# Altium PCB PCB3.PcbDoc (part 5 of 5)
Units mil, origin at the board's own origin, x right, y up, seen from the top; angles counter-clockwise.
Board outline 6000 x 4000 mil, 2 copper layers (Top Layer, Bottom Layer); 340 components, 0 nets, 1296 pads, 308 vias.
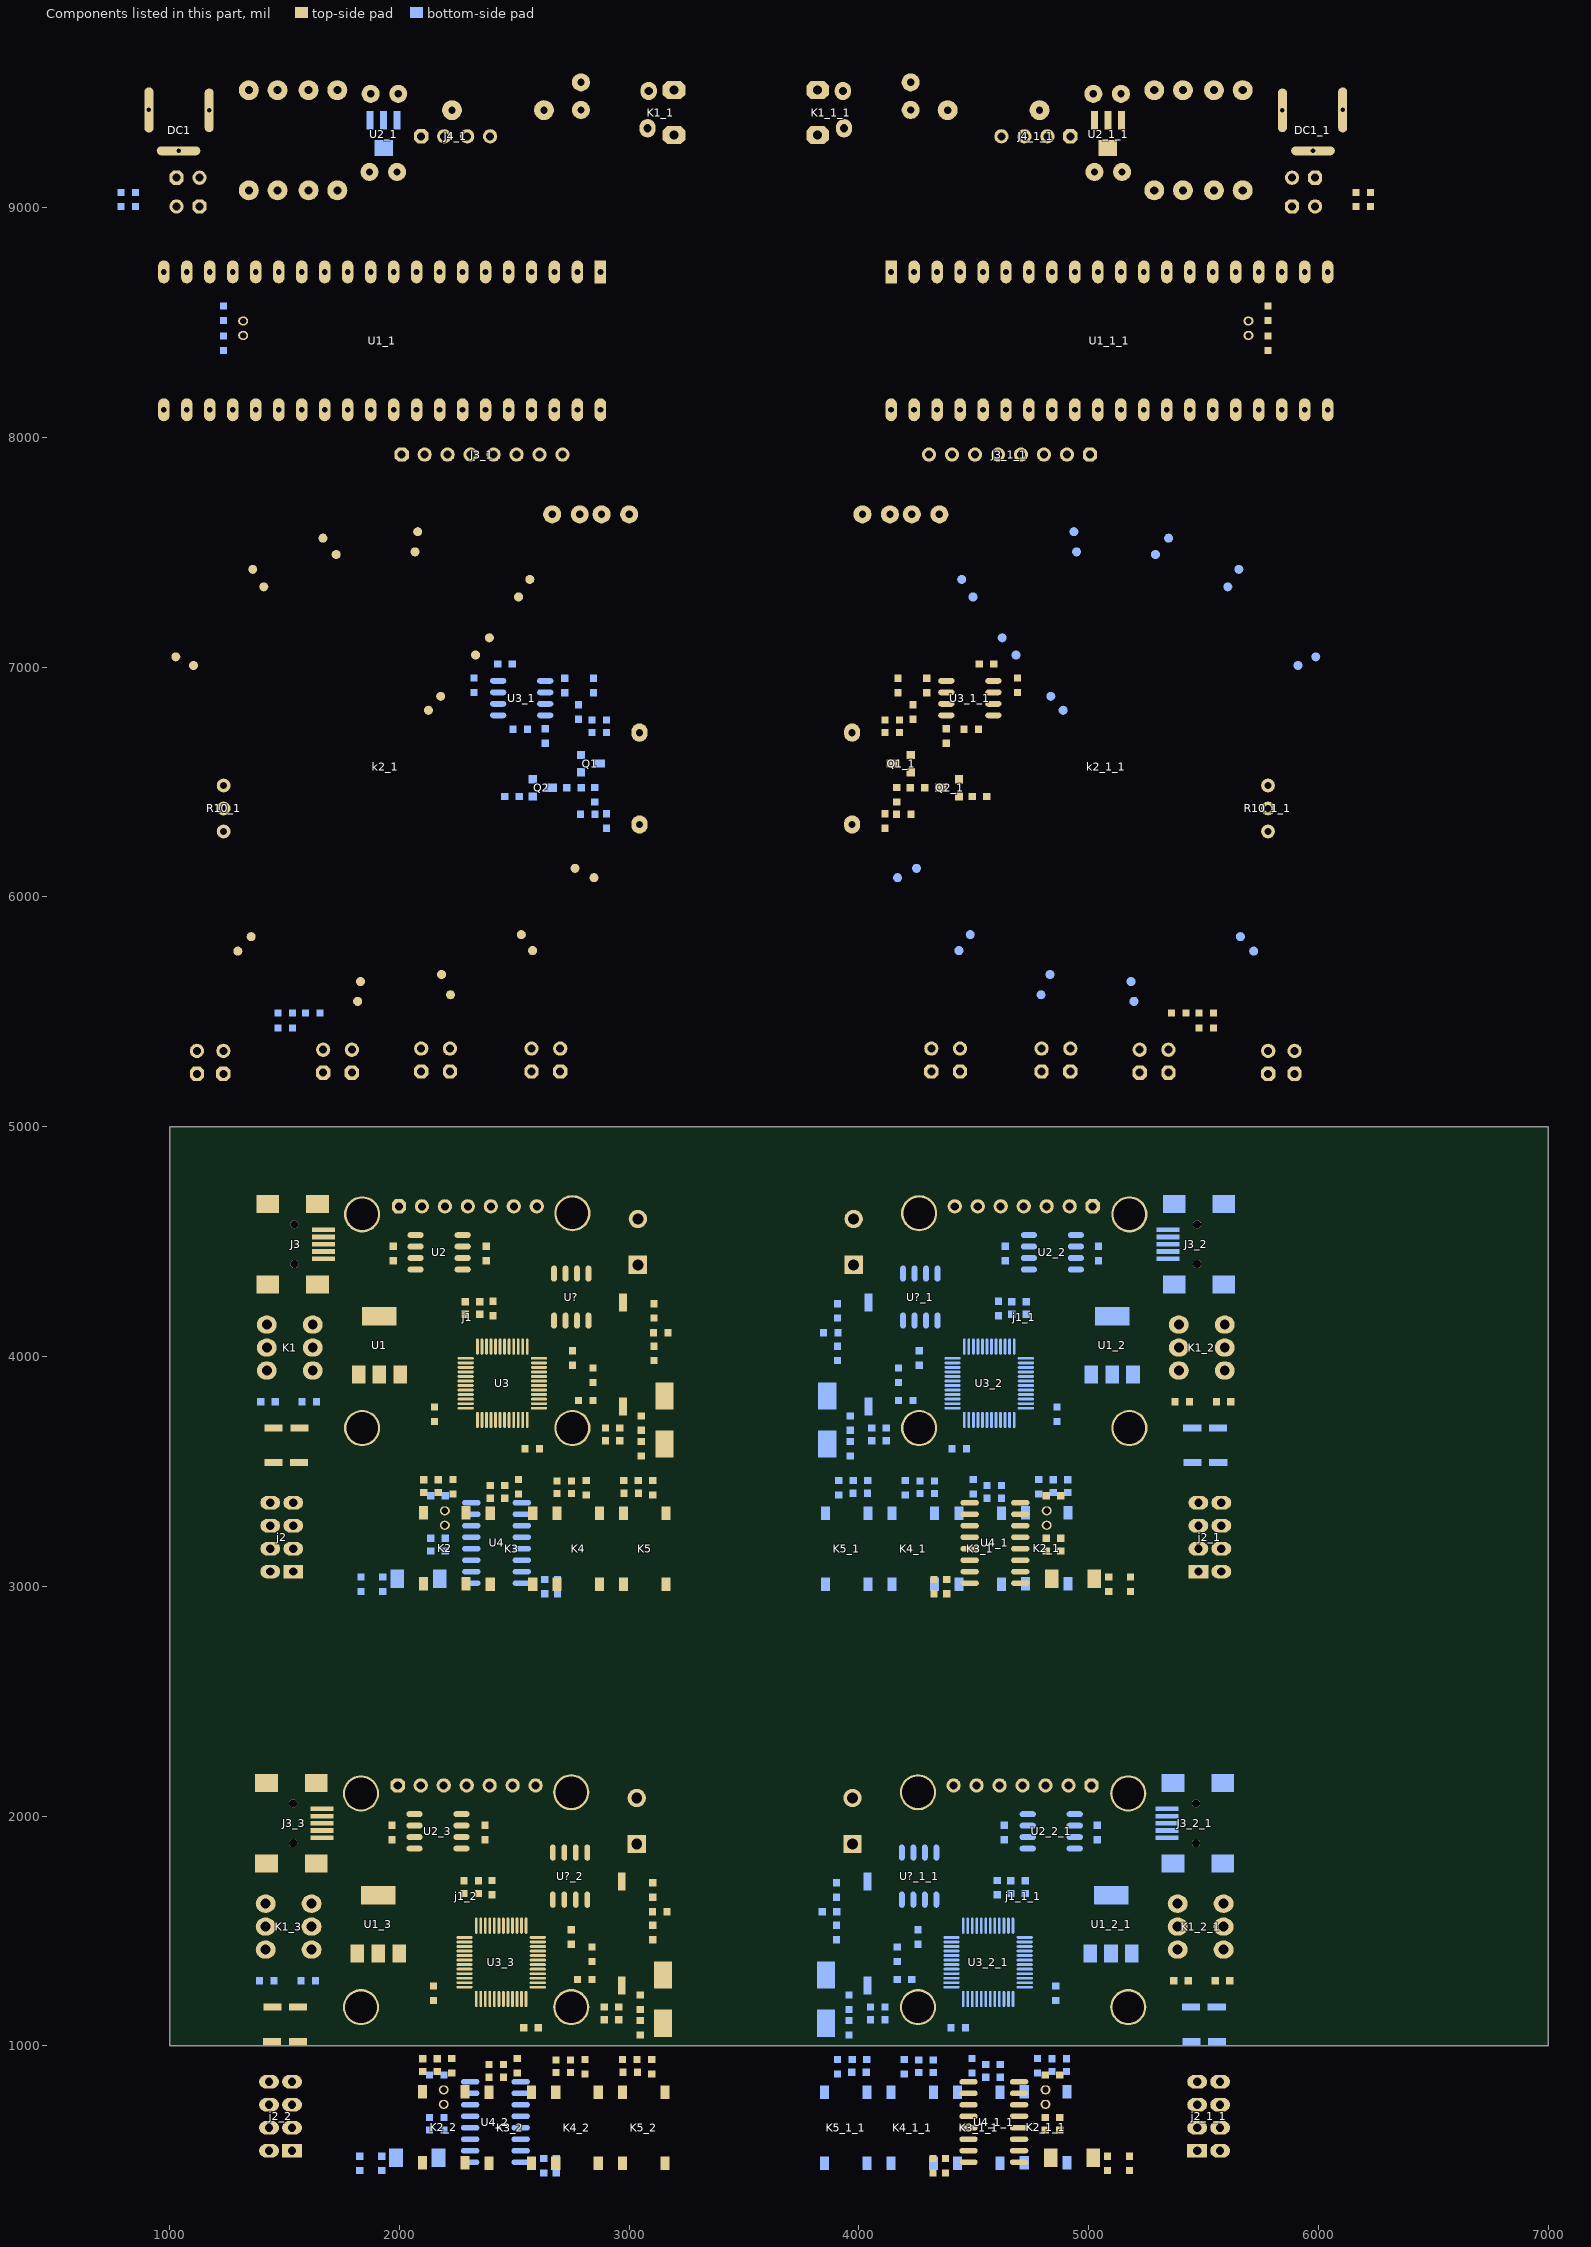
[diagram p5: the components of this part, seen from the top]

## Via types
v1: diameter 39.37, hole 19.68, Top Layer to Bottom Layer, 192 vias
v2: diameter 50, hole 28, Top Layer to Bottom Layer, 116 vias

## Nets (pads, with @x,y where several pads share a name; then routed paths per layer and width w, separated by ;. In a path a pad name is that pad's centre, name@x,y a point inside that pad or via, vN(x,y) a via of type N, cw(c..) or ccw(c..) an arc to the next point about the centre after c; other vN are vias at no path point) (continued)
copper on no net: (continued)
  Bottom Layer w12: 1433,543.5 1533,543.5 1623,453.5 v1(1768,453.5) ; 1433,643.5 1434.05,643.5 ; 1433,743.5 1434.05,743.5 1455.78,765.24 1455.78,786.29 1468,798.5 1698,798.5 1723,823.5 1723,1223.5 2043,1543.5 v1(2173,1543.5) ; 1433,843.5 1533,843.5 ; 1438,3063.5 1538,3063.5 1628,2973.5 v1(1773,2973.5) ; 1438,3163.5 1439.05,3163.5 ; 1438,3263.5 1439.05,3263.5 1460.78,3285.24 1460.78,3306.29 1473,3318.5 1703,3318.5 1728,3343.5 1728,3743.5 2048,4063.5 v1(2178,4063.5) ; 1438,3363.5 1538,3363.5 ; 1533,643.5 1928,643.5 1978,693.5 1978,1283.5 2013,1318.5 v1(2057.56,1318.5) ; 1533,743.5 v1(1618,743.5) ; 1538,3163.5 1933,3163.5 1983,3213.5 1983,3803.5 2018,3838.5 v1(2062.56,3838.5) ; 1538,3263.5 v1(1623,3263.5) ; 1828,467.01 1833,462.01 1928,462.01 1951.5,438.5 2515.97,438.5 2533,455.53 2533,488.5 2528,493.5 ; 1828,520 1828,593.5 ; 1833,2987.01 1838,2982.01 1933,2982.01 1956.5,2958.5 2520.97,2958.5 2538,2975.53 2538,3008.5 2533,3013.5 ; 1833,3040 1833,3113.5 ; v1(1881.5,518.5) 1882.25,519.25 1932.25,519.25 1933,520 1989,520 ; v1(1886.5,3038.5) 1887.25,3039.25 1937.25,3039.25 1938,3040 1994,3040 ; v1(1973,1663.5) v1(2228,1663.5) 2228,1488.5 ; v1(1978,4183.5) v1(2233,4183.5) 2233,4008.5 ; 1995.5,513.5 1989,520 ; 1999,520 1989,520 ; 2000.5,3033.5 1994,3040 ; 2004,3040 1994,3040 ; v1(2013,903.5) 2013,988.5 2068,1043.5 v1(2093,1043.5) ; v1(2018,3423.5) 2018,3508.5 2073,3563.5 v1(2098,3563.5) ; v1(2066.82,1623.5) v1(2143,1623.5) ; v1(2071.82,4143.5) v1(2148,4143.5) ; 2190.5,513.5 2190.5,519.5 2214.5,543.5 2308,543.5 ; 2193,808.5 2193.75,809.25 2193.75,872.76 2194.5,873.5 2250,873.5 2280,843.5 2308,843.5 ; v1(2193,1153.5) 2228,1188.5 ; v1(2193,1473.5) 2013,1473.5 1938,1398.5 1938,728.5 1903,693.5 1478,693.5 1464.51,680.02 1464.51,673.97 1434.05,643.5 ; 2194.5,633.5 2202.2,641.21 2305.7,641.21 2308,643.5 ; 2194.5,688.5 2193.75,689.25 2193.75,744.76 2193,745.51 2194.97,745.51 2242.59,793.14 2307.63,793.14 2308,793.5 ; 2195.5,3033.5 2195.5,3039.5 2219.5,3063.5 2313,3063.5 ; 2198,3328.5 2198.75,3329.25 2198.75,3392.76 2199.5,3393.5 2255,3393.5 2285,3363.5 2313,3363.5 ; v1(2198,3673.5) 2233,3708.5 ; v1(2198,3993.5) 2018,3993.5 1943,3918.5 1943,3248.5 1908,3213.5 1483,3213.5 1469.51,3200.02 1469.51,3193.97 1439.05,3163.5 ; 2199.5,3153.5 2207.2,3161.21 2310.7,3161.21 2313,3163.5 ; 2199.5,3208.5 2198.75,3209.25 2198.75,3264.76 2198,3265.51 2199.97,3265.51 2247.59,3313.14 2312.63,3313.14 2313,3313.5 ; 2293,2133.5 2293,2128.5 2408,2013.5 2408,1743.5 2448,1703.5 v1(2503,1703.5) ; 2298,4653.5 2298,4648.5 2413,4533.5 2413,4263.5 2453,4223.5 v1(2508,4223.5) ; 2308,593.5 1828,593.5 ; 2313,3113.5 1833,3113.5 ; 2493,2133.5 2508,2118.5 v1(2508,1853.5) ; 2498,4653.5 2513,4638.5 v1(2513,4373.5) ; v1(2508,1653.5) 2568,1653.5 v1(2623,1708.5) ; v1(2513,4173.5) 2573,4173.5 v1(2628,4228.5) ; 2518,2193.5 2543,2168.5 v1(2543,1753.5) ; 2523,4713.5 2548,4688.5 v1(2548,4273.5) ; v1(2658,1543.5) 2658,1728.5 2660.48,1728.5 2680.48,1748.5 v1(3103,1748.5) ; v1(2663,4063.5) 2663,4248.5 2665.48,4248.5 2685.48,4268.5 v1(3108,4268.5) ; v1(2713,1543.5) 3128,1543.5 3138,1553.5 3158,1533.5 v1(3158,1528.5) ; v1(2718,4063.5) 3133,4063.5 3143,4073.5 3163,4053.5 v1(3163,4048.5) ; v2(2786.62,1393.11) 2978.39,1393.11 2998,1373.5 v1(2998,1143.5) ; v2(2791.62,3913.11) 2983.39,3913.11 3003,3893.5 v1(3003,3663.5) ; v1(2818,1493.5) 2233,1493.5 2228,1488.5 ; v1(2823,4013.5) 2238,4013.5 2233,4008.5 ; v1(2958,1053.5) 2691.47,1053.5 v1(2666.47,1078.5) 2591.47,1153.5 2263,1153.5 2228,1188.5 ; v1(2963,3573.5) 2696.47,3573.5 v1(2671.47,3598.5) 2596.47,3673.5 2268,3673.5 2233,3708.5 ; v1(3847,1528.5) 3847,1469.04 3854.03,1462.01 3902,1462.01 ; 3849.48,798 3863.17,811.69 3863.17,833.17 3907,877.01 3911,881 3965.01,881 3969.01,885 3969.76,885.75 3969.76,939.25 3970.5,940 ; v1(3852,4048.5) 3852,3989.04 3859.03,3982.01 3907,3982.01 ; 3854.48,3318 3868.17,3331.69 3868.17,3353.17 3912,3397.01 3916,3401 3970.01,3401 3974.01,3405 3974.76,3405.75 3974.76,3459.25 3975.5,3460 ; 3857,1098.5 3868.5,1110 3957,1110 3957,1143.5 v1(4007,1143.5) ; 3857,1308.5 3857,1288.82 3923.25,1222.57 3955.93,1222.57 3957,1221.5 3997.51,1221.5 4050.5,1168.5 4133.53,1251.53 4193.02,1251.53 4229.99,1288.5 ; 3862,3618.5 3873.5,3630 3962,3630 3962,3663.5 v1(4012,3663.5) ; 3862,3828.5 3862,3808.82 3928.25,3742.57 3960.93,3742.57 3962,3741.5 4002.51,3741.5 4055.5,3688.5 4138.53,3771.53 4198.02,3771.53 4234.99,3808.5 ; 3902,1710 v1(3902,1748.5) ; 3907,940 3907,993.5 3927,1013.5 4532,1013.5 4552.16,1033.66 4552.16,1204.06 ; 3907,4230 v1(3907,4268.5) ; 3912,3460 3912,3513.5 3932,3533.5 4537,3533.5 4557.16,3553.66 4557.16,3724.06 ; 3957,1052.01 3957.75,1052.76 4046.25,1052.76 v1(4047,1053.5) 4048.75,1055.26 4048.75,1111.75 4050.5,1113.5 ; 3957,1230.32 3947,1230.32 3947,1755.91 3974.6,1783.5 4137,1783.5 ; 3962,3572.01 3962.75,3572.76 4051.25,3572.76 v1(4052,3573.5) 4053.75,3575.26 4053.75,3631.75 4055.5,3633.5 ; 3962,3750.32 3952,3750.32 3952,4275.91 3979.6,4303.5 4142,4303.5 ; 4032,885 4032,800.52 4034.52,798 ; 4033.5,940 4035.24,938.26 4067.24,938.26 4082,923.5 4082,768.5 ; 4034.52,489 4048.2,502.69 4048.2,544.71 4072,568.5 4332,568.5 ; 4037,1262.13 4037,1277.77 4047.73,1288.5 4167,1288.5 4212.47,1333.98 4402.55,1333.98 ; 4037,1714.88 4037,1497.01 4167,1367.01 ; 4037,3405 4037,3320.52 4039.52,3318 ; 4038.5,3460 4040.24,3458.26 4072.24,3458.26 4087,3443.5 4087,3288.5 ; 4039.52,3009 4053.2,3022.69 4053.2,3064.71 4077,3088.5 4337,3088.5 ; 4042,3782.13 4042,3797.77 4052.73,3808.5 4172,3808.5 4217.47,3853.98 4407.55,3853.98 ; 4042,4234.88 4042,4017.01 4172,3887.01 ; 4111.62,1166.63 4113.5,1168.5 4113.5,1113.5 4113.5,1052.01 4127,1038.5 4517,1038.5 4532.47,1053.98 4532.47,1204.06 ; 4116.62,3686.63 4118.5,3688.5 4118.5,3633.5 4118.5,3572.01 4132,3558.5 4522,3558.5 4537.47,3573.98 4537.47,3724.06 ; 4139.48,798 4153.17,811.69 4153.17,833.17 4197,877.01 4200.25,880.26 4257.26,880.26 4260.5,883.5 4260.5,938.5 ; 4144.48,3318 4158.17,3331.69 4158.17,3353.17 4202,3397.01 4205.25,3400.26 4262.26,3400.26 4265.5,3403.5 4265.5,3458.5 ; 4164.01,1353.66 4402.55,1353.66 ; 4167,1430 4173,1436 4251,1436 4257,1442.01 4262.24,1436.76 4262.24,1408.26 4277.47,1393.03 4402.55,1393.03 4402.46,1392.94 4278.4,1392.94 4277.47,1392.01 ; 4169.01,3873.66 4407.55,3873.66 ; 4172,3950 4178,3956 4256,3956 4262,3962.01 4267.24,3956.76 4267.24,3928.26 4282.47,3913.03 4407.55,3913.03 4407.46,3912.94 4283.4,3912.94 4282.47,3912.01 ; v1(4187,1493.5) v1@4194.59,1493.5 ; 4187,1636.14 4187,1505.91 v1@4187.91,1505 ; v1(4192,4013.5) v1@4199.59,4013.5 ; 4192,4156.14 4192,4025.91 v1@4192.91,4025 ; 4197,940 4197,978.5 4207,988.5 4543.67,988.5 4571.84,1016.67 4571.84,1204.06 ; 4202,3460 4202,3498.5 4212,3508.5 4548.67,3508.5 4576.84,3536.67 4576.84,3724.06 ; v2@4212,1403.5 4242.16,1373.35 4402.55,1373.35 ; v2@4217,3923.5 4247.16,3893.35 4407.55,3893.35 ; 4237,1636.14 4237,1693.5 4252,1708.5 v1(4382,1708.5) ; 4242,4156.14 4242,4213.5 4257,4228.5 v1(4387,4228.5) ; 4285.5,1631.14 4285.5,1608.21 4310.21,1583.5 4385.5,1583.5 4397.53,1571.47 4397.53,1471.87 4397.63,1471.77 4402.55,1471.77 ; 4290.5,4151.14 4290.5,4128.21 4315.21,4103.5 4390.5,4103.5 4402.53,4091.47 4402.53,3991.87 4402.63,3991.77 4407.55,3991.77 ; v1(4292,1543.5) 4297,1543.5 4312,1528.5 4312,1448.5 4328.1,1432.4 4402.55,1432.4 ; v1(4297,4063.5) 4302,4063.5 4317,4048.5 4317,3968.5 4333.1,3952.4 4407.55,3952.4 ; 4323.5,883.5 4323.5,799.03 4324.52,798 ; 4323.5,938.5 4367,938.5 4377,928.5 4377,693.5 ; 4324.52,489 4332,496.48 4332,568.5 ; 4328.5,3403.5 4328.5,3319.03 4329.52,3318 ; 4328.5,3458.5 4372,3458.5 4382,3448.5 4382,3213.5 ; 4329.52,3009 4337,3016.48 4337,3088.5 ; 4335.5,1631.14 4335.5,1620.21 4341.51,1614.21 4416.3,1614.21 4453.73,1576.77 4453.73,1522.95 ; v1(4338.53,1078.5) 4395.5,1078.5 ; 4340.5,4151.14 4340.5,4140.21 4346.51,4134.21 4421.3,4134.21 4458.73,4096.77 4458.73,4042.95 ; v1(4343.53,3598.5) 4400.5,3598.5 ; v1(4347,1543.5) 4337,1553.5 4337,1459.12 4344.03,1452.09 4402.55,1452.09 ; v1(4352,4063.5) 4342,4073.5 4342,3979.12 4349.03,3972.09 4407.55,3972.09 ; 4400.5,1078.5 4395.5,1078.5 ; 4402.55,1255.24 4431.89,1255.24 4453.73,1233.39 4453.73,1204.06 4453.73,1136.73 4395.5,1078.5 ; 4402.55,1412.72 4307.79,1412.72 4290.75,1429.76 4290.75,1483.5 4279,1495.25 4266.75,1495.25 4257,1505 v1@4187.91,1505 ; 4405.5,3598.5 4400.5,3598.5 ; 4407.55,3775.24 4436.89,3775.24 4458.73,3753.39 4458.73,3724.06 4458.73,3656.73 4400.5,3598.5 ; 4407.55,3932.72 4312.79,3932.72 4295.75,3949.76 4295.75,4003.5 4284,4015.25 4271.75,4015.25 4262,4025 v1@4192.91,4025 ; v1(4412,1853.5) 4412.69,1852.82 4412.69,1652.82 4473.42,1592.09 4473.42,1522.95 ; v1(4417,4373.5) 4417.69,4372.82 4417.69,4172.82 4478.42,4112.09 4478.42,4042.95 ; 4429.48,798 4443.17,811.69 4443.17,833.17 4492,882.01 4501.75,891.76 4525.17,891.76 4551.92,918.5 4551.92,863.5 ; 4434.48,3318 4448.17,3331.69 4448.17,3353.17 4497,3402.01 4506.75,3411.76 4530.17,3411.76 4556.92,3438.5 4556.92,3383.5 ; v1(4462,1753.5) 4462,1633.5 4493.1,1602.4 4493.1,1522.95 ; v1(4467,4273.5) 4467,4153.5 4498.1,4122.4 4498.1,4042.95 ; 4473.42,1093.43 4473.42,1204.06 ; 4478.42,3613.43 4478.42,3724.06 ; 4492,945 4501.75,954.75 4523.24,954.75 4527,958.5 4571.84,958.5 4591.53,978.19 4591.53,1204.06 ; v1(4497,1653.5) 4512.79,1637.72 4512.79,1522.95 ; v1(4497,1853.5) 4571.84,1778.66 4571.84,1522.95 ; 4497,3465 4506.75,3474.75 4528.24,3474.75 4532,3478.5 4576.84,3478.5 4596.53,3498.19 4596.53,3724.06 ; v1(4502,1703.5) 4532.47,1673.03 4532.47,1522.95 4532.47,1513.5 ; v1(4502,4173.5) 4517.79,4157.72 4517.79,4042.95 ; v1(4502,4373.5) 4576.84,4298.66 4576.84,4042.95 ; v1(4507,4223.5) 4537.47,4193.03 4537.47,4042.95 4537.47,4033.5 ; v1(4537,1753.5) 4552.16,1738.35 4552.16,1522.95 4552.16,1483.58 ; v1(4542,4273.5) 4557.16,4258.35 4557.16,4042.95 4557.16,4003.58 ; 4552.08,1483.5 4552.08,1503.5 ; 4557.08,4003.5 4557.08,4023.5 ; 4591.53,1522.95 4591.62,1523.05 4591.62,1593.13 4617,1618.5 4617,1675 ; 4596.53,4042.95 4596.62,4043.05 4596.62,4113.13 4622,4138.5 4622,4195 ; 4597,1657.01 4606.75,1666.76 4608.76,1666.76 4617,1675 ; 4602,1720 4602,1793.5 4627,1818.5 4767,1818.5 4777,1808.5 v1@4777,1673.79 ; 4602,4177.01 4611.75,4186.76 4613.76,4186.76 4622,4195 ; 4607,4240 4607,4313.5 4632,4338.5 4772,4338.5 4782,4328.5 v1@4782,4193.79 ; 4611.21,1204.06 4611.21,1024.29 4690.5,945 4777,945 ; 4614.52,489 4617,491.48 4617,568.5 ; 4614.52,798 4614.91,798.4 4614.91,863.5 4614.91,888.5 ; 4614.91,918.5 4621.57,911.84 4648.66,911.84 4672,888.5 4672,693.5 ; 4616.21,3724.06 4616.21,3544.29 4695.5,3465 4782,3465 ; 4619.52,3009 4622,3011.48 4622,3088.5 ; 4619.52,3318 4619.91,3318.4 4619.91,3383.5 4619.91,3408.5 ; 4619.91,3438.5 4626.57,3431.84 4653.66,3431.84 4677,3408.5 4677,3213.5 ; 4650.58,1522.95 4650.58,1533.5 4650.54,1533.54 4650.54,1645.55 4723.5,1718.5 ; 4655.58,4042.95 4655.58,4053.5 4655.54,4053.54 4655.54,4165.55 4728.5,4238.5 ; 4660.5,1718.5 4617,1675 ; 4665.5,4238.5 4622,4195 ; 4670.27,1204.06 4670.36,1203.96 4670.36,1063.5 4695.36,1038.5 4892.76,1038.5 ; 4670.27,1522.95 4670.27,1610.28 4723.5,1663.5 v1(4777,1663.5) ; 4675.27,3724.06 4675.36,3723.96 4675.36,3583.5 4700.36,3558.5 4897.76,3558.5 ; 4675.27,4042.95 4675.27,4130.28 4728.5,4183.5 v1(4782,4183.5) ; 4719.48,799.74 4733.17,813.42 4733.17,838.17 4777,882.01 4780.25,885.26 4837.26,885.26 4840.5,888.5 4840.5,943.5 ; 4721.45,1255.24 4798.77,1255.24 4857,1197.01 4858.75,1195.26 4855.25,1195.26 4813.5,1153.5 v1(4812,1153.5) ; 4721.45,1274.92 4842.08,1274.92 4857,1260 ; 4721.45,1294.61 4923.54,1294.61 v1(4947.44,1318.5) ; 4721.45,1314.29 4867.79,1314.29 4897,1343.5 4897,1693.5 4877,1713.5 ; 4721.45,1333.98 4844.22,1333.98 4872,1361.75 4872,1610.26 4862,1620.26 v1(4862,1623.5) ; 4721.45,1353.66 4821.93,1353.66 4844.22,1375.95 v1@4844.22,1541.36 ; 4721.45,1373.35 4806.84,1373.35 4822,1388.5 v1@4822,1478.5 ; 4724.48,3319.74 4738.17,3333.42 4738.17,3358.17 4782,3402.01 4785.25,3405.26 4842.26,3405.26 4845.5,3408.5 4845.5,3463.5 ; 4726.45,3775.24 4803.77,3775.24 4862,3717.01 4863.75,3715.26 4860.25,3715.26 4818.5,3673.5 v1(4817,3673.5) ; 4726.45,3794.92 4847.08,3794.92 4862,3780 ; 4726.45,3814.61 4928.54,3814.61 v1(4952.44,3838.5) ; 4726.45,3834.29 4872.79,3834.29 4902,3863.5 4902,4213.5 4882,4233.5 ; 4726.45,3853.98 4849.22,3853.98 4877,3881.75 4877,4130.26 4867,4140.26 v1(4867,4143.5) ; 4726.45,3873.66 4826.93,3873.66 4849.22,3895.95 v1@4849.22,4061.36 ; 4726.45,3893.35 4811.84,3893.35 4827,3908.5 v1@4827,3998.5 ; 4890.83,786.05 4904.52,799.74 4903.5,800.76 4903.5,888.5 ; 4895.83,3306.05 4909.52,3319.74 4908.5,3320.76 4908.5,3408.5 ; 4939.36,1958.5 4940.11,1959.25 5036.25,1959.25 5037,1960 ; 4944.36,4478.5 4945.11,4479.25 5041.25,4479.25 5042,4480 ; v1(4992,903.5) 5367,903.5 5387,883.5 v1(5387,743.5) ; v1(4997,3423.5) 5372,3423.5 5392,3403.5 v1(5392,3263.5) ; 5097,1401.73 5097.67,1402.4 5097.67,1655.28 ; 5102,3921.73 5102.67,3922.4 5102.67,4175.28 ; v1(5123.5,518.5) 5124.18,517.82 5298.81,517.82 5340.75,559.75 5340.75,797.82 v1(5340.94,798) ; v1(5128.5,3038.5) 5129.18,3037.82 5303.81,3037.82 5345.75,3079.75 5345.75,3317.82 v1(5345.94,3318) ; v1(5237,453.5) 4941.75,453.5 4904.52,490.74 4890.83,504.42 4890.83,544.67 4867,568.5 4617,568.5 ; v1(5242,2973.5) 4946.75,2973.5 4909.52,3010.74 4895.83,3024.42 4895.83,3064.67 4872,3088.5 4622,3088.5 ; 1434.05,643.5 1455.78,621.77 1455.78,600.72 1463,593.5 1828,593.5 ; 1439.05,3163.5 1460.78,3141.77 1460.78,3120.72 1468,3113.5 1833,3113.5 ; 2228,1188.5 2228,1488.5 ; 2233,3708.5 2233,4008.5 ; v1@4187.91,1505 v1@4197,1495.91 ; v1@4192.91,4025 v1@4202,4015.91 ; v1@4194.59,1493.5 4199.41,1493.5 v1@4197,1495.91 ; v1@4194.59,1493.5 v1@4197,1495.91 ; v1@4199.59,4013.5 v1@4202,4015.91 ; v1@4199.59,4013.5 4204.41,4013.5 v1@4202,4015.91 ; 4332,568.5 4617,568.5 ; 4337,3088.5 4622,3088.5
  Bottom Layer w20: v2@777.5,7512.5 875,7415 875,7095 960,7010 v2(1285,7010) ; 788.5,9005 788.5,9065 ; v2(845,7520) 925,7440 925,7125 990,7060 1305,7060 1475,6890 v2(1490,6890) ; 851.5,9005 1030,9005 1090,8945 1827,8945 ; 851.5,9065 1070,9065 1130,9005 1345,9005 ; v2@895,6655 v2(900,6660) ; 910,9425 910,9280 943,9247 1039,9247 1030,9238 1030,9130 v2(920,9130) ; 975,8120 975,7325 v2(1055,7245) ; v2(1065,6935) 695,6935 690,6930 ; 1075,8120 1075,7630 1120,7585 v2(1570,7585) ; 1075,8720 1075,8470 1101.5,8443.5 1320,8443.5 ; 1119,5330 1234,5330 v2(1234,5440) ; 1172.18,9423.2 1172.18,9172.18 1130,9130 v2(1215,9130) ; 1175,8720 1175,8533.5 1202.01,8506.5 1320,8506.5 ; 1235,8571.5 1613.5,8571.5 1650,8535 1650,8415 1613.5,8378.5 1235,8378.5 976.5,8378.5 ; v2(1254,9511) 1345,9511 1470,9386 1470,9075 ; 1345,9075 1345,9005 ; 1375,8720 1380,8715 v2(1380,8630) ; 1391.5,1283.5 1389.26,1285.75 1393.75,1285.75 1618,1510 1618,1518.5 1618,1523.5 1903,1808.5 1933,1808.5 ; 1396.5,3803.5 1394.26,3805.75 1398.75,3805.75 1623,4030 1623,4038.5 1623,4043.5 1908,4328.5 1938,4328.5 ; v1(1428,943.5) 1428,949.56 1428.24,949.8 1428.24,848.27 1433,843.5 ; 1433,543.5 1360,543.5 1335,568.5 1335,1140 1363.5,1168.5 v2(1678,1168.5) ; v1(1433,3463.5) 1433,3469.56 1433.24,3469.8 1433.24,3368.27 1438,3363.5 ; 1438,3063.5 1365,3063.5 1340,3088.5 1340,3660 1368.5,3688.5 v2(1683,3688.5) ; 1454.5,1283.5 1571.5,1283.5 ; 1459.5,3803.5 1576.5,3803.5 ; 1470,9511 1605,9511 1684,9590 1960,9590 1995,9555 1995,9515 ; 1472.01,5430 1472.01,5495 v2(1472.01,5542.01) ; 1475,8120 1770,7825 1770,6500 1833,6437 2458.5,6437 ; 1475,8720 1580,8615 1685,8615 1795,8505 1915,8505 v2(1925,8495) ; 1535,5430 1668.24,5430 ; 1535,5495 1592.01,5495 ; 1575,8120 1955,7740 v2(2040,7740) ; 1605,9075 1605,9386 1730,9511 ; 1618,1618.5 1621.94,1618.5 1818,1814.57 v1(1818,1983.5) ; v1(1623,543.5) 1702.76,543.5 1717.76,558.5 v1(1723,558.5) ; 1623,4138.5 1626.94,4138.5 1823,4334.57 v1(1823,4503.5) ; v1(1628,3063.5) 1707.76,3063.5 1722.76,3078.5 v1(1728,3078.5) ; 1634.5,1283.5 1637,1281 1700.5,1281 v2(1703,1278.5) ; 1639.5,3803.5 1642,3801 1705.5,3801 v2(1708,3798.5) ; 1655,5495 1668.24,5481.76 1668.24,5430 ; v1(1663,498.5) 1718,498.5 v1(1778,558.5) ; v1(1668,3018.5) 1723,3018.5 v1(1783,3078.5) ; 1675,8120 1675,8090 1970,7795 v2(2445,7795) ; 1775,8720 1775,8650 v2(1825,8600) ; 1793.24,5335 1668.24,5335 1668.24,5430 ; v2(1825,7745) 1825,6985 1920,6890 2325,6890 2430,6890 ; v2(1870,8945) 1827,8945 ; 1872,9380 1870,9378 1870,9155 1870,8988 1827,8945 ; v2(1875,7690) 2450,7690 2665,7475 v2(2945,7475) ; 1875,8720 2195,9040 2195,9310 ; v2(1925,7635) 2491.5,7068.5 2491.5,7013.23 2495,7009.72 2495,6955 ; v1(1968,1803.5) 1964.29,1807.21 1939.61,1807.21 1938.32,1808.5 1933,1808.5 ; v1(1973,4323.5) 1969.29,4327.21 1944.61,4327.21 1943.32,4328.5 1938,4328.5 ; 1975,8720 2295,9040 2295,9310 ; 1990,9345 1995,9350 1995,9495 ; v2@1993,2028.5 1993,2133.5 ; v2@1998,4548.5 1998,4653.5 ; 2010,7925 2075,7990 2075,8120 ; v1(2039.72,1108.5) 2042.22,1111 2146.25,1111 ; v1(2044.72,3628.5) 2047.22,3631 2151.25,3631 ; 2075,8720 2629,9274 2629,9424 2789,9424 2790,9425 3004.57,9425 3080,9349.57 3080,9345 ; 2093,2133.5 2084.96,2141.54 2084.96,2176.54 v1(2068,2193.5) 1968,2193.5 1933,2158.5 1933,1808.5 ; 2095,5230 1119,5230 725,5230 690,5265 690,6930 ; 2095,5240 2220,5240 2575,5240 2700,5240 ; 2098,4653.5 2089.96,4661.54 2089.96,4696.54 v1(2073,4713.5) 1973,4713.5 1938,4678.5 1938,4328.5 ; 2110,7925 2175,7990 2175,8120 ; 2131.5,633.5 2131.5,688.5 2067.57,688.5 2039.72,716.36 2039.72,850.22 2063,873.5 2131.5,873.5 2133.75,875.75 2133.75,1098.5 2146.25,1111 ; 2136.5,3153.5 2136.5,3208.5 2072.57,3208.5 2044.72,3236.36 2044.72,3370.22 2068,3393.5 2136.5,3393.5 2138.75,3395.75 2138.75,3618.5 2151.25,3631 ; 2193,2133.5 2253,2193.5 2518,2193.5 ; 2198,4653.5 2258,4713.5 2523,4713.5 ; 2210,7925 2275,7990 2275,8120 ; v1(2228,493.5) 2308,493.5 ; 2229,9424 2139,9424 2095,9380 2095,9310 1983,9310 1932,9259 ; v1(2233,3013.5) 2313,3013.5 ; v2(2255,6390) 2255,6150 2305,6100 v2(2920,6100) 3095,6100 3115,6120 3115,6550 3084.5,6580.5 2870,6580.5 ; v2(2255,6490) 2255,6806.5 2288.5,6840 2429.13,6840 2429.57,6839.57 2430,6840 ; 2308,693.5 2388,693.5 2438,743.5 2438,928.5 2463,953.5 2648,953.5 2683,918.5 v1(2683,653.5) ; 2308,743.5 2308.77,744.27 2373.77,744.27 2393,763.5 2393,958.5 2423,988.5 2673,988.5 2718,943.5 v1(2718,603.5) ; 2310,7925 2375,7990 2375,8120 ; 2313,3213.5 2393,3213.5 2443,3263.5 2443,3448.5 2468,3473.5 2653,3473.5 2688,3438.5 v1(2688,3173.5) ; 2313,3263.5 2313.77,3264.27 2378.77,3264.27 2398,3283.5 2398,3478.5 2428,3508.5 2678,3508.5 2723,3463.5 v1(2723,3123.5) ; v2(2320,5820) 3120,5820 3150,5850 3150,6740 3125,6765 v2(3000,6765) 2906.5,6765 2901.5,6770 2901.5,6715 ; 2325,6952.99 2337.99,6940 2380,6940 ; v1(2333,1773.5) 2338,1778.5 v1(2338,2018.5) ; v1(2338,4293.5) 2343,4298.5 v1(2343,4538.5) ; v2(2380,6985) 2380,6940 ; 2393,2133.5 2468,2058.5 v1(2468,1753.5) ; v2(2395,9165) 2395,9310 2630,9545 2790,9545 3038.3,9545 3075.8,9507.5 3085,9507.5 ; 2398,4653.5 2473,4578.5 v1(2473,4273.5) ; 2410,7925 2475,7990 2475,8120 ; v2(2428.5,6545) 2547,6545 2580,6512 ; 2428.5,7013.23 2430,7011.73 2430,6940 2380,6940 ; 2430,6790 2430,6690 v2(2440,6680) ; v2@2456.5,6668.5 2634.72,6668.5 ; 2495,6730 2495,6955 ; 2510,7750 2510,7850 ; 2510,7925 2510,7850 ; v1(2518,1113.5) 2515.5,1111 2146.25,1111 ; v2(2520,7515) v2(2520,7125) 2815,7125 2845,7095 2845,6951.5 ; 2521.5,6437 2580,6437 ; v1(2523,3633.5) 2520.5,3631 2151.25,3631 ; 2528,493.5 2666.5,493.5 2683,510 3167.47,510 3213,555.53 3213,1608.26 3188,1633.26 v1(3188,1638.5) ; v2(2530,6155) 2530,6280 2663.5,6413.5 2850,6413.5 ; 2533,3013.5 2671.5,3013.5 2688,3030 3172.47,3030 3218,3075.53 3218,4128.26 3193,4153.26 v1(3193,4158.5) ; 2557.99,6730 2557.99,6812.99 2585,6840 2634.72,6840 2776.5,6840 2780,6836.5 2832.01,6888.5 2845,6888.5 2890,6888.5 ; 2575,6940 2634.72,6940 2646.22,6951.5 2720,6951.5 2498.5,6951.5 2495,6955 ; 2575,8120 2575,7960 2610,7925 ; v1(2593,1853.5) 2593,2133.5 ; v1(2598,4373.5) 2598,4653.5 ; 2628,447.01 2632.8,442.21 2914.29,442.21 v1(2918,438.5) ; 2633,2967.01 2637.8,2962.21 2919.29,2962.21 v1(2923,2958.5) ; 2634.72,6731.5 2634.72,6790 2654.72,6770 2838.5,6770 2838.5,6715 ; 2634.72,6890 2636.22,6888.5 2720,6888.5 2758.5,6888.5 2776.5,6906.5 v2@2776.5,7026.5 ; 2660,6475 2728.5,6475 ; 2665,7665 2665,7870 2710,7915 2710,7925 ; v2(2705,6170) 2705,6276.5 2788.5,6360 ; v1(2763,1913.5) 2768,1908.5 3003,1908.5 3033,1878.5 ; v1(2768,4433.5) 2773,4428.5 3008,4428.5 3038,4398.5 ; 2775,8090 2775,8120 ; 2791.5,6475 2790,6476.5 2790,6542.5 2795.5,6537 ; v1(2812.25,1959.25) 2913.75,1959.25 3033,2078.5 ; v1(2817.25,4479.25) 2918.75,4479.25 3038,4598.5 ; 2850,6476.5 2888.5,6476.5 2906.5,6458.5 v2(2906.5,6410) 2901.5,6405 2901.5,6361.5 ; 2851.5,6360 2903.5,6360 ; 2901.5,6298.5 2953.5,6298.5 2985,6330 v2(2985,6390) ; v2(2985,8120) 2875,8120 2875,8190 2850,8215 2010,8215 1975,8180 1975,8120 1935,8080 1935,7880 1965,7850 2510,7850 ; 3840.5,1583.5 3840.5,2167.01 3870.74,2197.24 4573.09,2197.24 4576.84,2193.5 v1(4937,2193.5) ; 3845.5,4103.5 3845.5,4687.01 3875.74,4717.24 4578.09,4717.24 4581.84,4713.5 v1(4942,4713.5) ; 3857,1098.5 3857,1118.19 ; 3862,3618.5 3862,3638.19 ; 3902,1520 3902,1583.5 3902,1651.89 ; 3903.5,1583.5 3903.5,1643.5 ; 3907,4040 3907,4103.5 3907,4171.89 ; 3908.5,4103.5 3908.5,4163.5 ; 3970,6315 4060,6225 5257.26,6225 5654.58,5827.68 ; 3970,6715 3970,6720 v2(4015,6765) 4015,7665 ; v2(4030,6390) 4030,6635 4070,6675 v2(4070,7475) ; v2(4030,8120) 4030,8880 4095,8945 4625,8945 ; 4082,768.5 4082,698.5 4077,693.5 ; 4087,3288.5 4087,3218.5 4082,3213.5 ; v2(4095,6100) 4111.34,6083.66 4167.95,6083.66 ; v2(4135,6835) 4135,7665 ; 4167,1430 4137,1460 4137,1783.5 4137,1833.5 ; 4172,3950 4142,3980 4142,4303.5 4142,4353.5 ; v1(4192.75,1959.25) 4733.89,1959.25 4734.64,1958.5 ; v1(4197.75,4479.25) 4738.89,4479.25 4739.64,4478.5 ; v2(4230,7040) 4230,7665 ; v1(4242,1913.5) 4729.64,1913.5 4734.64,1908.5 ; v1(4247,4433.5) 4734.64,4433.5 4739.64,4428.5 ; 4250.55,6124.48 4264.48,6124.48 v2(4310,6170) ; v2(4280,6705) 4280,7275 ; v1(4287,603.5) 5182,603.5 v1(5227,558.5) v1@5222,553.5 ; v1(4292,3123.5) 5187,3123.5 v1(5232,3078.5) v1@5227,3073.5 ; v1(4322,653.5) 5187,653.5 v1(5282,558.5) ; v1(4327,3173.5) 5192,3173.5 v1(5287,3078.5) ; 4337,1840.87 4337,1835.81 4334.69,1833.5 4137,1833.5 ; 4342,4360.87 4342,4355.81 4339.69,4353.5 4142,4353.5 ; v2(4350,7880) 4350,7665 4280,7595 4280,7275 ; 4484.39,5835.89 4484.39,5836.02 4484.39,6154.39 v2(4485,6155) ; 4490.76,7306.11 4459.65,7275 4280,7275 ; 4493.75,6547.99 4493.75,6983.75 ; v2(4495,7125) 4493.75,7123.75 4493.75,6983.75 ; v2(4495,7515) v2(4495,7725) ; v2(4570,7795) 4570,7508.81 4591.11,7487.7 4591.11,7472.73 ; v2(4575,6680) 4578.64,6680 5140,6680 5335,6485 5780,6485 ; v2(4586.5,6545) 4591.5,6540 4916.56,6540 5021.56,6435 5730,6435 5780,6385 5780,6285 ; v2(4620,9165) 4625,9160 4625,8945 ; v2(4635,6985) 4495,6985 4493.75,6983.75 ; v1(4672,1773.5) 4672,1770 4723.5,1718.5 ; v1(4677,4293.5) 4677,4290 4728.5,4238.5 ; v2(4695,5820) 4830,5685 ; v2(4760,6390) v2(4760,6490) ; v1(4777,493.5) 4773.29,489.8 4773.29,450.22 4761.58,438.5 v1(4087,438.5) 3990.01,438.5 3965.01,463.5 3965.01,641.52 4017,693.5 4077,693.5 ; v1(4782,3013.5) 4778.29,3009.8 4778.29,2970.22 4766.58,2958.5 v1(4092,2958.5) 3995.01,2958.5 3970.01,2983.5 3970.01,3161.52 4022,3213.5 4082,3213.5 ; 4857,1260 4956.81,1260 4965.28,1251.53 v1(4965.28,1108.5) ; 4862,3780 4961.81,3780 4970.28,3771.53 v1(4970.28,3628.5) ; 4877,1713.5 4877,1991.79 4892.76,2007.55 4938.41,2007.55 4939.36,2008.5 ; 4882,4233.5 4882,4511.79 4897.76,4527.55 4943.41,4527.55 4944.36,4528.5 ; 4903.5,943.5 4904.51,944.51 4947.44,944.51 ; 4908.5,3463.5 4909.51,3464.51 4952.44,3464.51 ; v1(4938.18,1623.5) 4938.18,1857.32 4939.36,1858.5 ; 4939.36,1908.5 4963.65,1908.5 4975.14,1897.01 5037,1897.01 v1(5037,1803.5) 4992,1758.5 4992,1416.18 5006.45,1401.73 5006.45,1054.06 5042,1018.5 5447,1018.5 ; v1(4943.18,4143.5) 4943.18,4377.32 4944.36,4378.5 ; 4944.36,4428.5 4968.65,4428.5 4980.14,4417.01 5042,4417.01 v1(5042,4323.5) 4997,4278.5 4997,3936.18 5011.45,3921.73 5011.45,3574.05 5047,3538.5 5452,3538.5 ; v1@4967,1098.5 4967,944.51 4947.44,944.51 ; 4971.23,7589.63 4971.23,7736.23 v2(4975,7740) ; v1@4972,3618.5 4972,3464.51 4952.44,3464.51 ; 4977,944.51 5566.24,944.51 5575.23,953.5 v1@5577,951.73 ; 4982,3464.51 5571.24,3464.51 5580.23,3473.5 v1@5582,3471.73 ; v2(5090,7635) v2(5090,8495) ; 5097,1401.73 5097,1309.17 5117.67,1288.5 5207,1288.5 v2(5327,1168.5) 5445.39,1168.5 5439.65,1162.76 ; 5102,3921.73 5102,3829.17 5122.67,3808.5 5212,3808.5 v2(5332,3688.5) 5450.39,3688.5 5444.65,3682.76 ; v2(5140,7690) 5595,7690 ; v2(5145,8945) 4625,8945 ; 5147,1654.61 5147.67,1655.28 ; 5152,4174.61 5152.67,4175.28 ; 5182.55,1401.73 5202.05,1421.23 5202.05,1448.56 5207,1453.5 5207,1907.13 ; v1(5187,1983.5) 5192.24,1983.5 5240.23,2031.5 5340.94,2031.5 ; 5187.55,1401.73 5187.55,1391.73 5207.05,1372.23 5217.05,1372.23 5355.78,1233.5 5567,1233.5 5586.22,1214.29 5586.22,1024.25 5577,1015.04 v1@5577,951.73 ; 5187.55,3921.73 5207.05,3941.23 5207.05,3968.55 5212,3973.5 5212,4427.13 ; v2(5190,7745) v2(5190,8600) ; v1(5192,4503.5) 5197.24,4503.5 5245.23,4551.5 5345.94,4551.5 ; 5192.55,3921.73 5192.55,3911.73 5212.05,3892.23 5222.05,3892.23 5360.78,3753.5 5572,3753.5 5591.22,3734.29 5591.22,3544.25 5582,3535.04 v1@5582,3471.73 ; 5227,1963.5 5263.5,2000 5340.94,2000 5630.5,2000 5687,1943.5 5687,488.5 5642,443.5 5382,443.5 v1@5337,488.5 ; 5232,4483.5 5268.5,4520 5345.94,4520 5635.5,4520 5692,4463.5 5692,3008.5 5647,2963.5 5387,2963.5 v1@5342,3008.5 ; 5252,1938.5 5282,1968.5 5340.94,1968.5 5607,1968.5 5652,1923.5 5652,505.74 5619.77,473.5 5407,473.5 5385.71,494.8 5385.71,539.8 v1(5382,543.5) ; 5257,4458.5 5287,4488.5 5345.94,4488.5 5612,4488.5 5657,4443.5 5657,3025.74 5624.77,2993.5 5412,2993.5 5390.71,3014.8 5390.71,3059.8 v1(5387,3063.5) ; 5311.02,1907.13 5207,1907.13 ; 5316.02,4427.13 5212,4427.13 ; 5370.24,5583.71 5411.94,5542.01 v2(5542.99,5542.01) ; 5370.24,7550.34 5404.9,7585 v2(5445,7585) ; 5387,1618.5 5387,1630.46 ; 5392,4138.5 5392,4150.46 ; 5430.1,6754.9 5450.19,6775 ; v2(5435,9280) 5475,9240 5475,8875 5520,8830 6085,8830 6115,8800 v2(6115,6660) ; v2(5525,6890) 5575.87,6940.87 5575.87,6945.29 5575.87,6946.78 ; v1(5577,943.5) v1@5577,951.73 ; v1(5582,3463.5) v1@5582,3471.73 ; 5596.85,7453.15 5595,7455 5595,7690 ; 5634.52,7017.86 5637.86,7017.86 5687.86,6967.86 v2(5730,7010) ; v2(5635,8630) 5595,8590 5595,7690 ; 5712.33,5764.68 5781,5696.01 v2(5781,5440) ; v2(5761,9511) 5750,9500 5750,8920 5805,8865 6140,8865 6170,8835 v2(6170,7520) ; v2(5800,9130) 5800,8945 5840,8905 6205,8905 6240,8870 v2(6240,7510) ; 5890.22,7020 5890.22,7044.16 ; 5895.46,7181.61 5896.61,7181.61 v2(5960,7245) ; v2(6095,9130) 6255,9130 6315,9070 6315,6895 6230,6810 v2(6226.5,6810) ; 690,6930 690,8345 723.5,8378.5 976.5,8378.5 ; 976.5,8378.5 975,8380 975,8720 975,8850 1015,8890 1965,8890 1990,8915 1990,9155 1932,9213 1932,9259 ; 1345,9005 1710,9005 1730,9025 1730,9075 1730,9385 1840,9495 1875,9495 1932,9438 1932,9259 ; 4077,693.5 4377,693.5 4672,693.5 4917,693.5 4947.44,723.94 4947.44,944.51 ; 4082,3213.5 4382,3213.5 4677,3213.5 4922,3213.5 4952.44,3243.94 4952.44,3464.51 ; 4137,1833.5 4137,1973.5 4172,2008.5 4734.64,2008.5 4807,2008.5 4852,2053.5 5060.62,2053.5 5207,1907.13 ; 4142,4353.5 4142,4493.5 4177,4528.5 4739.64,4528.5 4812,4528.5 4857,4573.5 5065.62,4573.5 5212,4427.13
  Bottom Layer w66.93: v2(788.5,6810) 1530.85,6810 v2(1535,6814.15) ; v2(900,6660) v2(1714.72,6660) ; v2(2043.77,5391.23) 2095,5340 2220,5340 ; v2(2575,5507.16) 2575,5340 2700,5340 ; v2(2735,6705) 2735,6750 ; 4272.85,5909.74 4419.1,5763.49 4432.16,5766.29 4432.88,5766.29 4435.21,5766.29 ; v2(4440,5507.16) 4593.11,5660.27 ; v2(4971.23,5391.23) 4971.23,5544.41 ; 4979.72,5630.61 4979.76,5630.65 4981.12,5632 5178.73,5632 ; v2(5300.28,6660) 5352.35,6712.08 5352.88,6712.61 ; 5415,6770 5435.85,6770 v2(5480,6814.15) ; 5890.22,7020 5890.22,6994.78 v2(5950,6935)
  other v2: 1991.62,2044.88 5013.38,2044.88 1996.62,4564.88 5018.38,4564.88

## Keep-outs
Keep-Out Layer:
  lines w15: 640,5100 3250,5100 3250,9640 640,9640 640,5100 ; 1268,383.5 1268,2243.5 3253,2243.5 3253,383.5 1268,383.5 ; 1273,2903.5 3258,2903.5 3258,4763.5 1273,4763.5 1273,2903.5 ; 3752,383.5 5737,383.5 5737,2243.5 3752,2243.5 3752,383.5 ; 3757,2903.5 3757,4763.5 5742,4763.5 5742,2903.5 3757,2903.5 ; 3765,5100 3765,9640 6375,9640 6375,5100 3765,5100

## Other copper
Top Layer:
  region: 4710,6940 4700,6930 4565,6930 4560,6935 4560,7045 4570,7055 4695,7055 4710,7040
  region: 4415,6800 4260,6800 4250,6790 4170,6790 4155,6775 4155,6650 4205,6600 4340,6600 4350,6610 4350,6700 4355,6705 4410,6705 4415,6710
  region: 4100,6905 4195,6905 4250,6850 4250,6822.99 4237.01,6810 4110,6810 4100,6820
  region: 2395,6560 2405,6570 2925,6570 2935,6560 2935,6345 2925,6335 2405,6335 2395,6345
  text "硬件部-黄鹏坤" at 4765,5640 h150
  text "冯振邦" at 5397,4646.5 h100
  text "黄鹏坤" at 5397,4560 h100
  text "黄荣寸" at 5397,4466.5 h100
  text "秦   柯" at 5392,4380 h100
  text "李家健" at 5397,4295.52 h100
  text "冯振邦" at 5392,2126.5 h100
  text "黄鹏坤" at 5392,2040 h100
  text "黄荣寸" at 5392,1946.5 h100
  text "秦   柯" at 5387,1860 h100
  text "李家健" at 5392,1775.52 h100
Bottom Layer:
  region: 4620,6560 4610,6570 4090,6570 4080,6560 4080,6345 4090,6335 4610,6335 4620,6345
  region: 2915,6905 2820,6905 2765,6850 2765,6822.99 2777.99,6810 2905,6810 2915,6820
  region: 2600,6800 2755,6800 2765,6790 2845,6790 2860,6775 2860,6650 2810,6600 2675,6600 2665,6610 2665,6700 2660,6705 2605,6705 2600,6710
  region: 2305,6940 2315,6930 2450,6930 2455,6935 2455,7045 2445,7055 2320,7055 2305,7040
  text "硬件部-黄鹏坤" at 2250,5640 h150
  text "冯振邦" at 1618,4646.5 h100
  text "黄鹏坤" at 1618,4560 h100
  text "黄荣寸" at 1618,4466.5 h100
  text "秦   柯" at 1623,4380 h100
  text "李家健" at 1618,4295.52 h100
  text "冯振邦" at 1613,2126.5 h100
  text "黄鹏坤" at 1613,2040 h100
  text "黄荣寸" at 1613,1946.5 h100
  text "秦   柯" at 1618,1860 h100
  text "李家健" at 1613,1775.52 h100

## Silkscreen, mask and mechanical layers (free items; w line width, h text height)
Top Overlay:
  lines w10: 1500,7790 1500,9589.21 ; 1505,9590 3197.91,9590 ; 1507.09,7790 3200,7790 ; 3205,7790.79 3205,9590
Bottom Overlay:
  lines w10: 3810,7790.79 3810,9590 ; 3815,7790 5507.91,7790 ; 3817.09,9590 5510,9590 ; 5515,7790 5515,9589.21

## Text inside footprints (layer, text, board x,y; h text height)
C2: Top Overlay "+" at 1548.8,3584.74 h31.5 r180
C2_2: Bottom Overlay "+" at 5466.2,3584.74 h31.5 r180
C2_2_1: Bottom Overlay "+" at 5461.2,1064.74 h31.5 r180
C2_3: Top Overlay "+" at 1543.8,1064.74 h31.5 r180
C3: Top Overlay "+" at 1550.4,3734.74 h31.5 r180
C3_2: Bottom Overlay "+" at 5464.6,3734.74 h31.5 r180
C3_2_1: Bottom Overlay "+" at 5459.6,1214.74 h31.5 r180
C3_3: Top Overlay "+" at 1545.4,1214.74 h31.5 r180